# Altium PCB board_layout.pcbdoc (part 2 of 3)
Units mm, origin at the board's own origin, x right, y up, seen from the top; angles counter-clockwise.
Board outline 92.13 x 89.13 mm, 2 copper layers (Top Layer, Bottom Layer), stack 1.57 mm thick; 193 components, 117 nets, 632 pads, 279 vias.
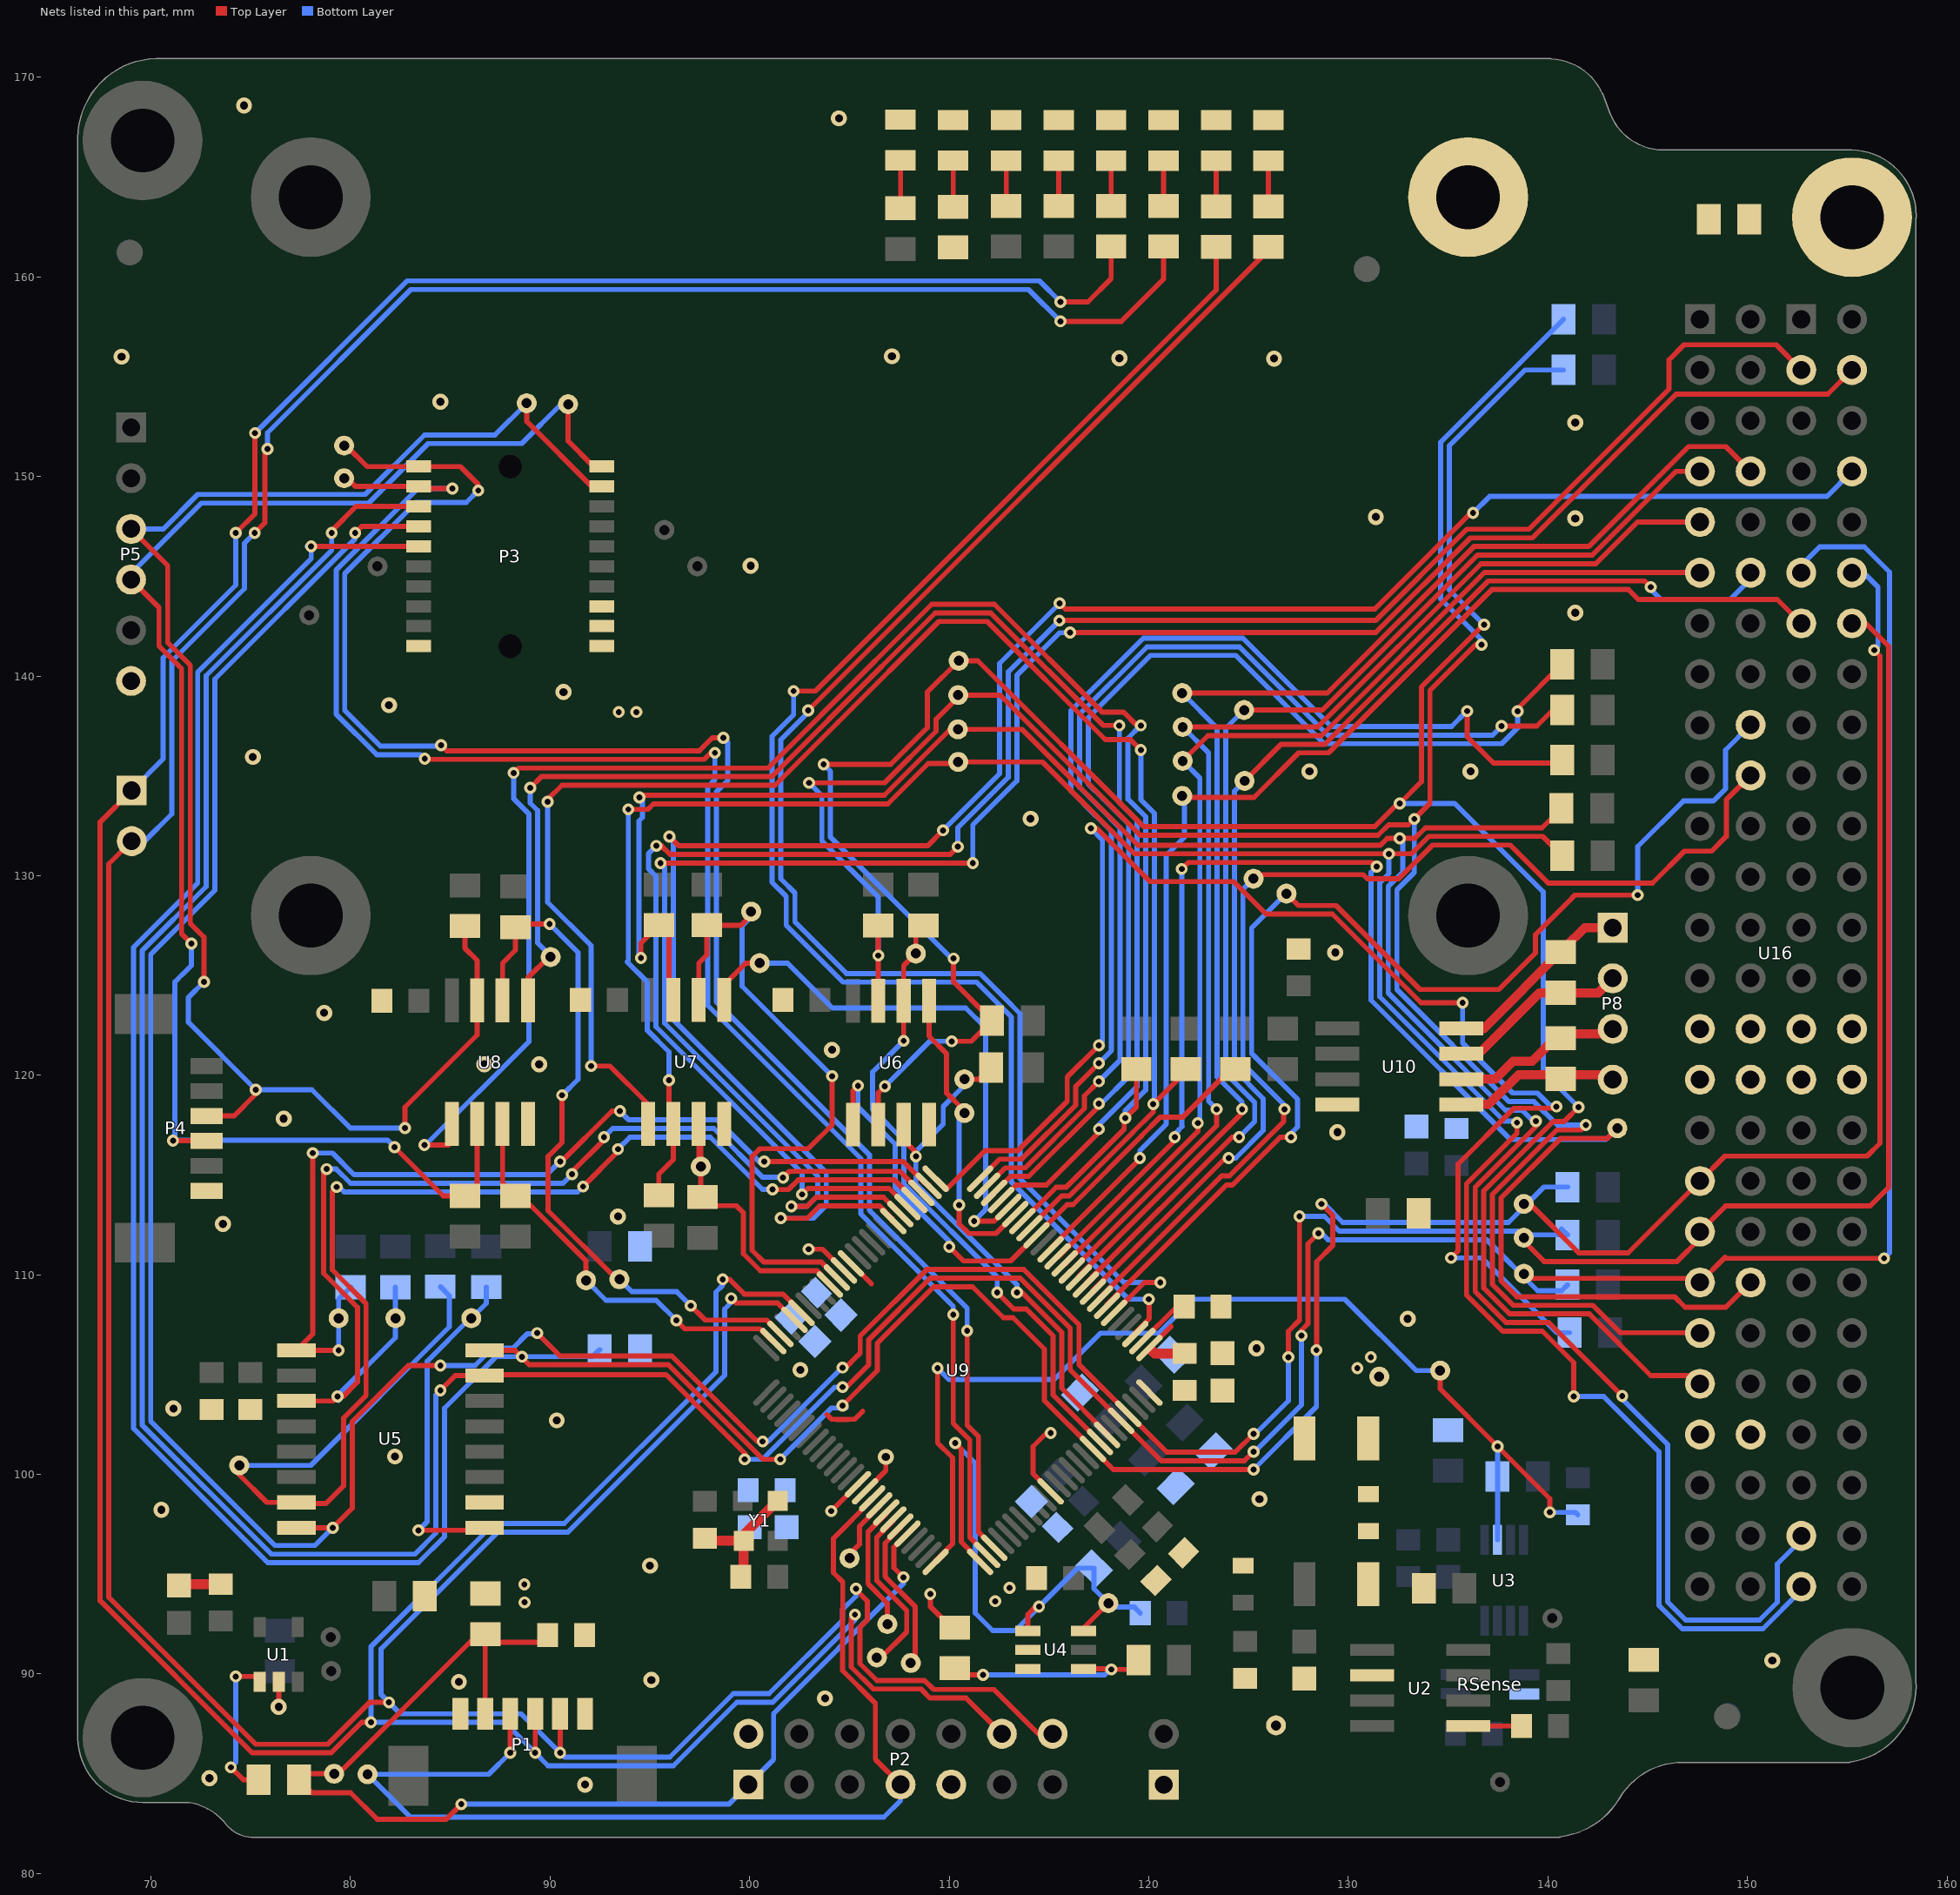
[diagram p2: the nets of this part, all layers, seen from the top]

## Via types
v1: diameter 0.6, hole 0.3, Top Layer to Bottom Layer, tented both sides, 235 vias
v2: diameter 0.8, hole 0.4, Top Layer to Bottom Layer, tented both sides, 25 vias
v3: diameter 0.8, hole 0.4, Top Layer to Bottom Layer, tented bottom, 9 vias
v4: diameter 0.8, hole 0.4, Top Layer to Bottom Layer, tented top, 8 vias
v5: diameter 0.8, hole 0.4, Top Layer to Bottom Layer, 2 vias

## Nets (pads, with @x,y where several pads share a name; then routed paths per layer and width w, separated by ;. In a path a pad name is that pad's centre, name@x,y a point inside that pad or via, vN(x,y) a via of type N, cw(c..) or ccw(c..) an arc to the next point about the centre after c; other vN are vias at no path point) (continued)
D_BOARD_SPI_CS0: P3.17 TP38.1 U9.2 | length 86.4
  Top Layer w0.254: TP38.1@79.75,149.7 80.05,149.7 80.25,149.5 P3.17@83.41,149.5 83.51,149.4 v1(85.1,149.4) ; v1(83.716,135.859) 83.75,135.825 97.72,135.825 98.052,136.157 v1(98.255,136.157) ; v1(110.2,108) 110.2,102.555 111.03,101.725 111.03,96.839 U9.2@111.899,95.97
  Bottom Layer w0.254: v1(83.716,135.859) 83.514,136.061 81.314,136.061 79.275,138.1 79.275,145.31 83.365,149.4 v1(85.1,149.4) ; v1(98.255,136.157) 98.255,134.8 97.895,134.44 97.895,123.504 105.566,115.832 105.566,113.054 110.2,108.421 v1(110.2,108)
D_BOARD_SPI_CS1: P3.19 TP39.1 U9.3 | length 89.8
  Top Layer w0.254: TP39.1@79.775,151.55 80.825,150.5 P3.19@83.41,150.5 85.5,150.5 86.4,149.6 v1(86.4,149.3) ; v1(84.533,136.54) 84.816,136.257 97.475,136.257 98.122,136.904 v1(98.682,136.904) ; v1(110.9,107.2) 110.9,102.466 111.462,101.903 111.462,97.114 U9.3@112.253,96.324
  Bottom Layer w0.254: v1(84.533,136.54) 84.533,136.493 81.493,136.493 79.707,138.279 79.707,145.131 83.276,148.7 85.8,148.7 v1(86.4,149.3) ; v1(98.682,136.904) 98.9,136.686 98.9,134.771 98.327,134.198 98.327,123.682 105.998,116.011 105.998,113.233 110.9,108.331 v1(110.9,107.2)
ESD: MEC4.0 R_ESD.2
GND: C1.2 C2.1 C3.2 C4.2 C5.1 C6.1 C7.2 C15.2 C16.2 C17.2 C18.2 C19.2 C20.2 C23.2 C24.2 C28.2 C29.2 C30.2 C31.2 C32.2 C34.2 C35.2 C36.2 D1.2 D2.2 D3.2 D4.2 D5.2 D6.2 D7.2 D8.2 FB2.1 MEC8.0 P1.6 P2.9 P3.2 P3.4 P3.6 P4.6 P5.6 R18.2 R_ESD.1 U1.2 U5.10 U6.4 U7.4 U8.4 U9.26 U9.63 U9.90 U10.4 U16.H1-29 U16.H1-30 U16.H1-31 U16.H1-32 U16.H2-29 U16.H2-30 U16.H2-31 U16.H2-32 V1.2 V3.2 Y1.2 Y1.4 | length 19.1
  Top Layer w0.254: C29.2@71.4,94.43 C29.2@71.47,94.5 ; v2(76.4,88.35) U1.2@76.4,89.6 ; 103.869,103 104.111,102.758 104.354,102.758 104.361,102.751 104.939,102.751 104.946,102.758 105.262,102.758 105.664,103.16 ; U9.63@105.076,110.572 106.099,109.548 ; U9.90@105.783,99.152 106.825,100.194 v2(106.825,100.875) ; 120.171,106.189 U9.26@120.031,106.329 121.117,107.415
  Top Layer w0.508: C29.2@71.47,94.5 C28.2@73.5,94.5 ; C3.2@97.75,96.8 97.875,96.675 Y1.2@99.7,96.675 ; C4.2@99.547,94.861 99.7,95.013 Y1.2@99.7,96.675 ; Y1.4@101.4,98.675 99.7,96.975 Y1.2@99.7,96.675 ; 120.171,106.189 120.304,106.056 C15.2@121.8,106.056
  other v2: 91.75,84.458 72.925,84.775 85.425,89.607 95.07,89.7 151.25,90.675 70.518,98.225 82.225,100.9 90.33,102.709 125.4,106.318 132.975,107.796 93.4,112.925 129.345,126.15 128.05,135.225 136.125,135.225 81.925,138.543 141.375,143.173 100.05,145.525 131.375,147.975 126.275,155.909 118.525,155.925 68.525,156 107.125,156.025 74.661,168.588
  other v3: 95.002,95.425 71.125,103.3 76.65,117.825 104.125,121.275 78.675,123.125 114.075,132.85 75.1,135.95 90.673,139.203 141.375,152.7
  other v4: 103.775,88.775 125.55,98.762 73.6,112.55 129.454,117.15 86.7,120.55 89.45,120.55 141.375,147.9 84.5,153.75
  other v5: 102.537,105.236 104.475,167.95
I2C0_EN: R33.1 U6.1 U9.42 | length 30.6
  Top Layer w0.254: U6.1@105.177,117.53 105.177,119.223 v1(105.429,119.475) ; v1(110,111.408) 110.713,110.695 113.083,110.695 U9.42@114.374,111.986 115.908,113.52 116.202,113.52 119.628,116.946 119.628,116.958 120.577,117.907 121.708,117.907 124.11,120.309 R33.1@124.328,120.309
  Bottom Layer w0.254: v1(105.429,119.475) 105.429,118.412 107.294,116.548 107.294,114.384 110,111.678 v1(110,111.408)
I2C0_READY: TP51.1 U6.5 U9.45 | length 15.4
  Top Layer w0.254: U6.5@108.987,123.735 108.987,121.958 109.87,121.075 109.87,119.105 110.687,118.287 TP51.1@110.5,118.1 ; v1(110.5,113.5) 110.5,112.563 110.992,112.071 112.338,112.071 U9.45@113.313,113.047
  Bottom Layer w0.254: v1(110.5,113.5) TP51.1@110.5,118.1
I2C0_SCL: R22.1 TP69.1 U6.3 U9.19 | length 26.1
  Top Layer w0.254: U6.3@107.717,117.53 107.717,116.754 108.33,116.14 v1(108.33,115.931) ; TP69.1@110.761,119.8 111.468,119.8 R22.1@111.868,120.2 ; v1(113.4,109.113) 113.644,109.113 115.636,107.121 115.636,104.317 117.91,102.044 U9.19@117.91,101.98
  Bottom Layer w0.254: TP69.1@110.761,119.8 110.761,119.493 109.701,118.432 109.701,117.551 108.33,116.181 v1(108.33,115.931) 108.33,114.569 113.4,109.499 v1(113.4,109.113)
I2C0_SCL_BUF: J_PC2.2 R28.1 TP59.1 U6.2 U16.H1-43 | length 133.8
  Top Layer w0.254: v1(103.704,135.575) 107.068,135.575 108.907,137.414 108.907,139.203 TP59.1@110.475,140.77 111.437,140.77 119.753,132.454 131.313,132.454 132.479,133.62 v1(132.575,133.62) 133.661,134.706 133.661,139.461 136.775,142.575 v1(136.8,142.575) ; U6.2@106.447,117.53 106.447,119.122 v1(106.775,119.45) ; v1(110.125,121.7) 111.105,121.7 R28.1@111.885,122.48 ; v1(110.219,125.85) 110.219,124.68 111.885,123.013 R28.1@111.885,122.48 ; R28.1@112.148,122.743 R28.1@111.885,122.48 ; v1(141.539,118.4) 140.827,117.689 140.269,117.689 136.789,114.209 136.789,109.34 138.088,108.04 142.076,108.04 145.159,104.957 147.203,104.957 U16.H1-43@147.62,104.54
  Bottom Layer w0.254: v1(103.704,135.575) 104.05,135.229 104.05,131.925 110.125,125.85 v1(110.219,125.85) ; v1(106.775,119.45) 109.025,121.7 v1(110.125,121.7) ; v1(132.575,133.62) 135.33,133.62 139.764,129.186 139.764,120.175 v1(141.539,118.4) ; v1(136.8,142.575) 135.057,144.318 135.057,151.542 138.855,155.34 J_PC2.2@140.784,155.34
I2C0_SDA: R21.1 TP68.1 U6.6 U9.18 | length 32.1
  Top Layer w0.254: v1(107.717,121.725) 107.717,123.669 107.75,123.702 U6.6@107.717,123.735 107.717,125.492 TP68.1@108.325,126.1 108.325,127.117 R21.1@108.717,127.509 ; v1@112.404,109.139 v1(112.404,109.113) 113.231,108.287 113.86,108.287 115.205,106.942 115.205,103.978 U9.18@117.556,101.627
  Bottom Layer w0.254: v1(107.717,121.725) 106.153,120.161 106.153,118.299 107.725,116.726 107.725,114.563 112.404,109.884 v1@112.404,109.139
I2C0_SDA_BUF: J_PC1.2 R27.1 TP58.1 U6.7 U16.H1-41 | length 123.5
  Top Layer w0.254: v1(102.978,134.65) 106.754,134.65 109.339,137.236 109.339,137.839 110.186,138.686 110.186,139 TP58.1@110.461,138.725 ; U6.7@106.447,123.735 v1(106.447,126) R27.1@106.447,127.509 R27.1@106.447,127.734 ; TP58.1@110.45,139.05 112.546,139.05 119.574,132.022 131.492,132.022 132.02,132.55 133.015,132.55 v1(133.307,132.843) 134.093,133.628 134.093,139.282 136.381,141.57 v1(136.67,141.57) ; v1(141.9,117.505) 141.652,117.257 140.448,117.257 137.22,114.03 137.22,109.519 138.267,108.472 142.254,108.472 143.627,107.1 147.24,107.1 147.44,106.9 U16.H1-41@147.62,107.08
  Bottom Layer w0.254: v1(102.978,134.65) 103.618,134.01 103.618,131.746 106.447,128.917 v1(106.447,126) ; v1(133.307,132.843) 133.307,130.157 132.434,129.284 132.434,124.298 138.053,118.679 139.301,118.679 140.475,117.505 v1(141.9,117.505) ; v1(136.67,141.57) 136.67,141.825 134.625,143.87 134.625,151.721 J_PC1.2@140.784,157.88
I2C1_EN: R34.1 U7.1 U9.43 | length 84.5
  Top Layer w0.254: v1(89.879,133.7) 89.879,133.818 90.591,134.53 101.279,134.53 104.416,137.666 104.416,137.672 109.48,142.736 111.901,142.736 117.815,136.822 119.078,136.822 v1(119.6,136.3) ; v1(92.05,120.46) 92.997,120.46 94.907,118.55 U7.1@94.907,117.56 ; U9.43@114.02,112.34 115.633,113.952 116.023,113.952 119.196,117.125 119.196,117.137 120.225,118.166 v1(120.225,118.55) 121.853,120.178 R34.1@121.853,120.309
  Bottom Layer w0.254: v1(89.879,133.7) 89.879,128.671 92.05,126.5 v1(92.05,120.46) ; v1(119.6,136.3) 119.6,133.808 120.281,133.127 120.281,118.606 v1(120.225,118.55)
I2C1_READY: TP54.1 U7.5 U9.46 | length 27.6
  Top Layer w0.254: U7.5@98.717,123.765 98.717,124.53 99.804,125.617 TP54.1@100.5,125.617 ; v1(111.25,112.693) 112.253,112.693 U9.46@112.96,113.4
  Bottom Layer w0.254: TP54.1@100.5,125.617 101.894,125.617 104.139,123.373 110.827,123.373 111.823,122.377 111.823,113.266 v1(111.25,112.693)
I2C1_SCL: R24.1 TP53.1 U7.3 U9.66 | length 15.8
  Top Layer w0.254: TP53.1@97.856,115.425 TP53.1@97.55,115.731 ; U9.66@104.015,109.511 103.586,109.94 103.586,109.995 103.379,110.202 103.227,110.202 100.536,110.203 99.68,111.059 99.68,113.111 99.326,113.465 98.052,113.465 98.012,113.425 97.55,113.425 TP53.1@97.55,115.425 TP53.1@97.55,115.731 ; TP53.1@97.55,115.731 97.447,115.835 U7.3@97.447,117.56 97.55,117.457 TP53.1@97.55,115.731
I2C1_SCL_BUF: J_PC4.2 R30.1 TP61.1 U7.2 U16.H2-51 | length 128.4
  Top Layer w0.254: v1(93.916,133.32) 94.901,133.32 95.176,133.596 106.921,133.596 108.95,135.625 110.45,135.625 TP61.1@110.525,135.7 ; R30.1@95.447,113.991 95.447,115.047 96.177,115.777 U7.2@96.177,117.56 95.953,117.784 v1(95.953,119.75) ; TP61.1@110.45,135.7 TP61.1@110.525,135.7 ; v1(138.45,117.625) 138.45,117.091 135.925,114.566 135.925,108.982 137.731,107.177 139.731,107.177 141.3,105.608 v1(141.3,103.9) ; J_PC4.2@140.677,130.968 140.409,130.7 140.409,131.3 139.741,131.968 134.04,131.968 133.167,131.095 v1(132.03,131.095) 119.28,131.095 114.675,135.7 TP61.1@110.525,135.7
  Bottom Layer w0.254: v1(93.916,133.32) 93.916,125.751 93.85,125.685 94.872,124.662 94.872,122.252 95.953,121.172 v1(95.953,119.75) ; v1(132.03,131.095) 132.03,130.102 131.57,129.642 131.57,123.94 137.811,117.7 138.375,117.7 v1(138.45,117.625) ; v1(141.3,103.9) 142.8,103.9 145.568,101.132 145.568,93.432 146.732,92.268 150.779,92.268 152.7,94.189 U16.H2-51@152.7,94.38
I2C1_SDA: R23.1 TP52.1 U7.6 U9.65 | length 33.2
  Top Layer w0.254: U7.6@97.447,123.765 97.447,125.617 97.856,126.027 R23.1@97.856,127.514 99.564,127.514 TP52.1@100,127.95 ; v1(104.13,119.956) 104.13,117.512 102.934,116.316 100.504,116.316 100.504,116.286 100.474,116.286 100.12,115.932 100.12,111.229 100.715,110.635 103.598,110.635 U9.65@104.368,109.865
  Bottom Layer w0.254: TP52.1@100.096,128.2 100.096,127.946 99.622,127.472 99.622,124.464 v1(104.13,119.956)
I2C1_SDA_BUF: J_PC3.2 R29.1 TP60.1 U7.7 U16.H2-49 | length 123.7
  Top Layer w0.254: v1(94.475,133.925) 94.578,134.028 106.742,134.028 TP60.1@109.989,137.275 ; v1(94.55,125.875) 94.55,126.617 R29.1@95.447,127.514 95.953,127.008 95.953,123.989 U7.7@96.177,123.765 ; TP60.1@110.435,137.335 113.651,137.335 119.459,131.526 131.607,131.526 131.952,131.871 v1(132.575,131.871) 133.333,131.871 133.861,132.4 139.704,132.4 J_PC3.2@140.684,133.38 ; v1(139.4,117.7) 139.4,117.431 136.357,114.387 136.357,109.161 137.909,107.609 140.041,107.609 v1(143.725,103.925)
  Bottom Layer w0.254: v1(94.475,133.925) 94.625,133.775 94.625,132.919 94.455,132.749 94.455,125.97 v1(94.55,125.875) ; v1(132.575,131.871) 132.725,131.721 132.725,130.186 132.002,129.463 132.002,124.119 137.874,118.247 138.708,118.247 139.255,117.7 v1(139.4,117.7) ; v1(143.725,103.925) 143.575,103.925 146,101.5 146,93.611 146.911,92.7 150.6,92.7 151.5,93.6 151.5,95.516 152.7,96.716 U16.H2-49@152.7,96.92
I2C2_EN: R35.1 U8.1 U9.44 | length 92
  Top Layer w0.254: v1(83.7,116.5) 84.903,116.5 85.076,116.674 U8.1@85.076,117.555 ; v1(88.168,135.15) 88.411,135.393 100.922,135.393 103.552,138.024 103.552,138.03 109.122,143.6 112.259,143.6 117.659,138.2 118.73,138.2 119.405,137.525 v1(119.6,137.525) ; U9.44@113.667,112.693 115.358,114.384 115.844,114.384 118.764,117.304 118.764,117.79 v1(118.828,117.854) 119.378,118.404 R35.1@119.378,120.309
  Bottom Layer w0.254: v1(83.7,116.5) 83.755,116.5 88.938,121.684 88.938,128.004 88.943,128.009 88.943,133.087 88.168,133.863 v1(88.168,135.15) ; v1(118.828,117.854) 118.828,118.237 119.85,119.258 119.85,132.948 118.957,133.841 118.957,136.882 v1(119.6,137.525)
I2C2_READY: TP57.1 U8.5 U9.47 | length 75.1
  Top Layer w0.254: U8.5@88.886,123.76 88.886,124.886 89.925,125.925 TP57.1@90.025,125.925 ; v1(89,134.4) 89.562,134.962 101.101,134.962 103.984,137.845 103.984,137.851 109.301,143.168 112.08,143.168 117.723,137.525 v1(118.525,137.525) ; U9.47@112.606,113.754 113.353,114.5 114.863,114.5 117.5,117.137 v1(117.5,117.3) ; v1@117.582,117.218 v1@117.663,117.3
  Bottom Layer w0.254: v1(89,134.4) 89,133.641 89.375,133.266 89.375,127.83 89.37,127.826 89.37,126.63 90.025,125.975 TP57.1@90.025,125.925 ; v1(117.5,117.3) 117.5,117.52 119.418,119.437 119.418,132.769 118.525,133.662 v1(118.525,137.525)
I2C2_SCL: R26.1 TP56.1 U8.3 U9.74 | length 20.4
  Top Layer w0.254: U8.3@87.616,117.555 87.616,114.604 R26.1@88.266,113.955 88.545,113.955 91.8,110.7 TP56.1@91.8,109.723 ; v1(96.325,107.716) 96.744,107.297 100.509,107.297 101.123,106.683 U9.74@101.186,106.683
  Bottom Layer w0.254: TP56.1@91.8,109.723 92.798,108.725 95.316,108.725 v1(96.325,107.716)
I2C2_SCL_BUF: P3.20 P4.4 P5.4 R32.1 TP63.1 U8.2 | length 80.7
  Top Layer w0.254: P5.4@69,144.835 70.4,143.435 70.4,141.506 71.535,140.37 71.535,127.09 v1(72.025,126.6) ; v1(71.1,116.725) 72.773,116.725 P4.4@72.788,116.71 ; v1(82.2,116.4) 84.645,113.955 R32.1@85.726,113.955 86.346,114.575 U8.2@86.346,117.555 ; TP63.1@90.9,153.625 90.9,151.78 92.18,150.5 P3.20@92.59,150.5
  Bottom Layer w0.254: P5.4@69,144.835 69,145.15 72.52,148.67 80.906,148.67 83.886,151.65 88.575,151.65 90.55,153.625 TP63.1@90.9,153.625 ; v1(72.025,126.6) 72.025,125.5 71.572,125.047 71.567,125.047 71.2,124.68 71.2,116.75 81.85,116.75 v1(82.2,116.4)
I2C2_SDA: R25.1 TP55.1 U8.6 U9.73 | length 35.7
  Top Layer w0.254: U8.6@87.616,123.76 87.616,125.617 88.266,126.266 R25.1@88.266,127.424 88.417,127.575 v1(89.975,127.575) ; v1(90.6,119) 90.6,116.637 89.895,115.932 89.895,113.215 93.336,109.775 TP55.1@93.475,109.775 ; v1(97.05,108.45) 97.772,107.728 100.848,107.728 U9.73@101.54,107.036
  Bottom Layer w0.254: v1(89.975,127.575) 91.4,126.15 91.4,119.8 v1(90.6,119) ; TP55.1@93.275,109.775 TP55.1@93.475,109.775 94.093,109.157 96.343,109.157 v1(97.05,108.45)
I2C2_SDA_BUF: P3.18 P4.3 P5.3 R31.1 TP62.1 U8.7 | length 83.1
  Top Layer w0.254: P5.3@69,147.375 70.832,145.543 70.832,141.685 71.967,140.549 71.967,127.6 72.65,126.917 v1(72.65,124.675) ; P4.3@72.788,117.96 74.16,117.96 75.25,119.05 v1(75.25,119.275) ; v1(82.725,117.35) 82.725,118.397 86.346,122.019 U8.7@86.346,123.76 86.346,125.754 85.726,126.374 R31.1@85.726,127.484 ; TP62.1@88.825,153.675 88.825,152.761 92.086,149.5 P3.18@92.59,149.5
  Bottom Layer w0.254: P5.3@69,147.375 70.614,147.375 72.342,149.102 80.727,149.102 83.707,152.082 87.232,152.082 TP62.1@88.825,153.675 ; v1(72.65,124.675) 71.875,123.9 71.875,122.65 v1(75.25,119.275) 78.061,119.275 79.986,117.35 v1(82.725,117.35)
JTAG_TCK: P1.3 P2.7 TP1.1 U9.91 | length 54.8
  Top Layer w0.254: v1(88,86.05) P1.3@88,88 ; U9.91@106.136,98.798 106.136,98.734 104.194,96.792 104.194,95.081 104.661,94.614 104.661,93.241 104.653,93.233 104.653,90.177 106.3,88.529 106.3,85.72 P2.7@107.56,84.46
  Bottom Layer w0.254: v1(88,86.05) 86.925,84.975 TP1.1@80.85,84.975 83,82.825 106.725,82.825 107.56,83.66 P2.7@107.56,84.46
JTAG_TDO_TDI: C1.1 P1.2 P2.1 R1.1 R8.2 TP2.1 U9.96 | length 59.3
  Top Layer w0.254: v1(85.55,83.475) 84.8,82.725 81.325,82.725 80,84.05 78.066,84.05 R8.2@77.416,84.7 77.716,85 TP2.1@79.175,85 79.39,85 86.019,91.629 R1.1@86.75,91.629 ; P1.2@86.75,88 R1.1@86.75,91.629 ; C1.1@89.875,91.584 86.795,91.584 R1.1@86.75,91.629 ; v1(107.7,94.845) 107.225,95.32 107.225,96.352 U9.96@107.904,97.031
  Bottom Layer w0.254: v1(85.55,83.475) 98.955,83.475 P2.1@99.94,84.46 101.2,85.72 101.2,88.02 107.7,94.52 v1(107.7,94.845)
JTAG_VCC: P1.1 P2.2 P6.1
MAIN_RADIO_ENABLE: TP32.1 U9.34 U16.H1-12 | length 61
  Top Layer w0.254: U9.34@117.202,109.158 117.202,109.221 123.831,115.85 v1(124.003,115.85) ; TP32.1@124.8,134.75 126.636,136.586 128.829,136.586 137.008,144.765 144.847,144.765 v1(145.15,144.463)
  Bottom Layer w0.254: v1(124.003,115.85) 124.355,115.85 125.737,117.232 125.737,118.824 124.29,120.271 124.29,134.24 TP32.1@124.8,134.75 ; v1(145.15,144.463) 145.15,144.35 145.675,143.825 149.125,143.825 150.16,144.86 U16.H1-12@150.16,145.18
MAIN_RADIO_GPIO0: TP28.1 U9.35 U16.H1-7 | length 61.3
  Top Layer w0.254: U9.35@116.849,109.511 116.849,109.575 117.463,110.189 123.746,116.472 124.174,116.9 v1(124.525,116.9) ; TP28.1@124.775,138.3 128.711,138.3 136.472,146.061 142.222,146.061 146.421,150.26 U16.H1-7@147.62,150.26
  Bottom Layer w0.254: v1(124.525,116.9) 125.305,117.68 125.305,118.645 123.858,120.092 123.858,137.383 TP28.1@124.775,138.3
MAIN_RADIO_GPIO1: TP29.1 U9.36 U16.H1-8 | length 68.2
  Top Layer w0.254: U9.36@116.495,109.865 116.495,109.929 124.675,118.108 v1(124.675,118.3) v1@124.675,118.375 ; TP29.1@121.675,139.15 128.95,139.15 136.293,146.493 142.043,146.493 147.05,151.5 148.92,151.5 U16.H1-8@150.16,150.26
  Bottom Layer w0.254: TP29.1@121.675,139.15 123.426,137.399 123.426,119.913 124.675,118.664 v1(124.675,118.3) v1@124.675,118.2
MAIN_RADIO_GPIO2: TP30.1 U9.37 U16.H1-9 | length 61.1
  Top Layer w0.254: U9.37@116.142,110.218 123.4,117.476 v1(123.4,118.3) ; TP30.1@121.7,137.45 128.471,137.45 136.65,145.629 142.4,145.629 144.491,147.72 U16.H1-9@147.62,147.72
  Bottom Layer w0.254: TP30.1@121.7,137.45 122.995,136.155 122.995,118.705 v1(123.4,118.3)
MAIN_RADIO_RESET: TP31.1 U9.38 U16.H1-11 | length 58.2
  Top Layer w0.254: U9.38@115.788,110.572 115.852,110.572 122.456,117.176 v1(122.456,117.606) ; TP31.1@121.7,135.75 122.968,137.018 128.65,137.018 136.829,145.197 147.603,145.197 U16.H1-11@147.62,145.18
  Bottom Layer w0.254: TP31.1@121.7,135.75 122.563,134.887 122.563,117.713 v1(122.456,117.606)
MAIN_RADIO_SPI_CS: TP33.1 U9.39 U16.H1-40 | length 79.3
  Top Layer w0.254: U9.39@115.435,110.925 115.499,110.925 116.113,111.539 116.119,111.539 121.3,116.72 v1(121.3,116.9) ; v1(121.65,130.333) 121.98,130.663 131.21,130.663 v1(131.423,130.45) ; TP33.1@143.481,117.347 142.959,116.825 140.626,116.825 137.652,113.851 137.652,109.698 138.446,108.904 146.346,108.904 146.875,108.375 148.915,108.375 U16.H1-40@150.16,109.62
  Bottom Layer w0.254: v1@121.3,116.978 121.3,117.04 121.516,117.256 121.5,117.272 121.675,117.447 121.65,117.472 v1(121.65,130.333) ; v1(131.423,130.45) 131.139,130.166 131.139,123.761 138.122,116.778 142.911,116.778 TP33.1@143.481,117.347
MEM_HOLD: R16.1 TP49.1 U5.1 U9.52 | length 49.8
  Top Layer w0.254: v1(78.1,116.1) 78.1,107.03 U5.1@77.288,106.218 v1(79.4,106.218) ; v1(90.5,115.682) 90.5,115.6 93.1,118.2 v1(93.5,118.2) ; v1(100.725,115.682) 107.68,115.682 U9.52@108.726,114.636 ; U9.52@108.965,114.493 U9.52@108.997,114.493
  Bottom Layer w0.254: v1(78.1,116.1) 79.09,116.1 80.174,115.016 89.834,115.016 v1(90.5,115.682) ; v1(79.4,106.218) TP49.1@79.4,107.825 79.4,108.776 R16.1@80,109.376 ; v1(93.5,118.2) 93.936,117.764 98.383,117.764 100.529,115.618 100.592,115.682 v1(100.725,115.682)
MEM_RESET: R17.1 TP50.1 U5.3 U9.53 | length 54.7
  Top Layer w0.254: U5.3@77.288,103.678 79.128,103.678 v1(79.35,103.9) 79.622,103.9 80.344,104.622 80.344,108.377 78.65,110.071 78.65,115.15 v1(78.8,115.3) ; v1(91.1,115.04) 91.1,115.159 92.7,116.759 v1(92.7,116.9) ; v1(101.675,114.875) 101.986,115.186 107.532,115.186 U9.53@108.611,114.107
  Bottom Layer w0.254: v1(78.8,115.3) 79.28,115.3 79.995,114.584 90.644,114.584 v1(91.1,115.04) ; v1@79.4,103.7 79.4,104 82.25,106.85 R17.1@82.25,109.376 ; v1(92.7,116.9) 93.132,117.332 98.204,117.332 100.651,114.885 101.665,114.885 v1(101.675,114.875)
MEM_SPI_CS: R14.1 TP47.1 U5.7 U9.54 | length 70.5
  Top Layer w0.254: TP47.1@74.423,100.45 74.423,99.977 75.802,98.598 U5.7@77.288,98.598 77.348,98.538 78.763,98.538 79.65,99.425 79.65,102.825 80.776,103.951 80.776,108.556 79.082,110.25 79.082,114.182 v1(79.3,114.4) ; v1(91.65,114.425) 93.4,116.175 v1(93.4,116.3) ; v1(101.144,114.28) 101.154,114.27 101.945,114.27 102.43,114.755 107.257,114.755 U9.54@108.258,113.754
  Bottom Layer w0.254: TP47.1@74.423,100.45 78.009,100.45 84.95,107.391 84.95,108.954 R14.1@84.5,109.404 ; v1(79.3,114.4) 79.3,114.532 79.679,114.152 91.377,114.152 v1@91.562,114.337 ; v1(93.4,116.3) 94,116.9 98.025,116.9 100.645,114.28 v1(101.144,114.28)
MEM_W: R15.1 TP48.1 U5.9 | length 17
  Top Layer w0.254: v1(83.4,97.2) 86.44,97.2 86.64,97.4 U5.9@86.712,97.328
  Bottom Layer w0.254: v1(83.4,97.2) 83.842,97.642 83.842,105.672 85.995,107.825 TP48.1@86.05,107.825 86.8,108.575 R15.1@86.8,109.384
NetC2_2: C2.2 U9.27 | length 2.8
  Top Layer w0.254: U9.27@119.677,106.683 121.395,108.4 C2.2@121.775,108.4
NetC11_1: C11.1 U2.5 | length 2.7
  Top Layer w0.254: U2.5@136,87.395 138.67,87.395 C11.1@138.675,87.4
NetD1_1: D1.1 R2.2 | length 2.3
  Top Layer w0.254: R2.2@126,163.542 D1.1@126,165.825
NetD2_1: D2.1 R3.2 | length 2.3
  Top Layer w0.254: R3.2@123.371,163.542 D2.1@123.371,165.825
NetD3_1: D3.1 R4.2 | length 2.3
  Top Layer w0.254: R4.2@118.114,163.564 D3.1@118.114,165.825
NetD4_1: D4.1 R5.2 | length 2.3
  Top Layer w0.254: R5.2@120.743,163.564 D4.1@120.743,165.825
NetD5_1: D5.1 R6.2 | length 2.3
  Top Layer w0.254: R6.2@112.857,163.564 D5.1@112.857,165.825
NetD6_1: D6.1 R7.2 | length 2.3
  Top Layer w0.254: R7.2@115.486,163.564 D6.1@115.486,165.825
NetD7_1: D7.1 R12.1 | length 2.4
  Top Layer w0.254: R12.1@107.56,163.439 D7.1@107.56,165.85
NetD8_1: D8.1 R13.1 | length 2.3
  Top Layer w0.254: R13.1@110.2,163.522 D8.1@110.2,165.831
NetR8_1: R8.1 U1.1 | length 7.6
  Top Layer w0.254: v1(74,85.325) 74.625,84.7 R8.1@75.384,84.7 ; v1(74.25,89.875) 75.175,89.875 U1.1@75.45,89.6
  Bottom Layer w0.254: v1(74,85.325) 74.25,85.575 v1(74.25,89.875)
NetR10_1: R10.1 R11.2 U4.1 | length 11.2
  Top Layer w0.254: R10.1@110.125,90.284 110.459,89.95 v1(111.7,89.95) ; U4.1@116.735,90.255 118.095,90.255 v1(118.125,90.225) 119.004,90.225 R11.2@119.484,90.705
  Bottom Layer w0.254: v1(111.7,89.95) 117.8,89.95 v1@118.075,90.225
NetTP21_1: TP21.1 U9.92 | length 3.3
  Top Layer w0.254: TP21.1@105.007,95.8 105.007,96.007 105.498,96.498 105.498,97.389 106.49,98.381 U9.92@106.49,98.445
NetTP22_1: TP22.1 U9.93 | length 6.4
  Top Layer w0.254: U9.93@106.843,98.091 106.843,98.027 105.93,97.114 105.93,94.55 105.947,94.533 105.947,94.496 106.9,93.543 TP22.1@106.9,92.5
NetTP23_1: TP23.1 U9.94 | length 8.6
  Top Layer w0.254: TP23.1@106.375,90.825 106.586,90.825 107.868,92.107 107.868,93.186 106.379,94.675 106.379,94.712 106.361,94.729 106.361,96.838 107.197,97.674 U9.94@107.197,97.738
NetTP24_1: TP24.1 U9.95 | length 7.9
  Top Layer w0.254: U9.95@107.55,97.384 107.55,97.32 106.793,96.563 106.793,94.908 106.811,94.89 106.811,94.854 108.3,93.364 108.3,90.775 TP24.1@108.075,90.55
OBDH_AVCC: C8.1 C9.1 C10.1 C21.1 C22.1 C27.1 FB1.2 J_V3.2 TP43.1 U2.2 U4.5 U4.6 U9.11 | length 3.8
  Top Layer w0.254: U9.11@115.081,99.152 114.2,100.033 114.2,101.399 114.876,102.075 v1(115.084,102.075)
  other v1: 112.299,93.646 113.025,94.319
OBDH_CURRENT_ADC: C14.1 R9.2 TP6.1 U3.2 U9.100 | length 54.6
  Top Layer w0.254: U9.100@109.318,95.616 109.318,95.68 110.167,96.529 110.167,100.828 109.417,101.578 v1(109.417,105.325) ; TP6.1@134.6,105.2 134.6,104.284 v1(137.484,101.4) 140.1,98.784 v1(140.1,98.1)
  Bottom Layer w0.254: v1(109.417,105.325) 109.992,104.75 115.25,104.75 117.575,107.075 120.503,107.075 122.203,108.775 129.825,108.775 133.4,105.2 TP6.1@134.6,105.2 ; U3.2@137.475,96.725 137.475,100.091 137.484,100.1 v1(137.484,101.4) v1@137.484,101.591 ; v1(140.1,98.1) 141.375,98.1 C14.1@141.5,97.975
OBDH_DVCC: C7.1 C15.1 C16.1 C17.1 C18.1 C19.1 C20.1 FB1.1 J_V1.2 J_V2.2 J_V4.2 J_V5.2 P3.1 R1.2 R10.2 R13.2 RSense.2 TP42.1 U9.25 U9.64 U9.89 V2.1 V4.1 | length 6.3
  Top Layer w0.254: v1(102.95,111.286) 103.654,111.286 U9.64@104.722,110.218 ; v1(104.084,98.16) U9.89@105.429,99.506 U9.89@105.456,99.506 ; v1(109.05,94.007) 109.05,93.391 R10.2@110.125,92.316
  other v1: 88.724,93.588 88.709,94.493 130.45,105.325 131.125,105.875 93.441,138.2 94.316,138.2
OBDH_VCC: J_V0.1 U16.H1-45 U16.H1-46
OBDH_VOLTAGE_ADC: C37.1 R37.2 TP7.1 U4.3 U4.4 U9.1 | length 30.4
  Top Layer w0.254: v1(110.3,101.575) 110.599,101.276 110.599,96.627 111.546,95.68 U9.1@111.546,95.616 ; U4.4@113.935,92.155 113.935,92.99 114.317,93.372 v1(114.5,93.372) ; U4.3@116.735,92.155 116.735,92.31 TP7.1@117.975,93.55
  Bottom Layer w0.254: v1(110.3,101.575) 111.3,100.575 111.3,93.05 112.175,92.175 113.303,92.175 v1(114.5,93.372) 116.435,95.307 R37.2@117.257,95.307 117.257,94.268 TP7.1@117.975,93.55 118.175,93.35 119.275,93.35 C37.1@119.575,93.05
PAYLOAD_0_ENABLE: TP41.1 U9.32 U16.H1-18 | length 59.9
  Top Layer w0.254: U9.32@117.91,108.45 117.91,108.514 123.895,114.5 124.191,114.5 126.591,116.9 v1(127.125,116.9) ; TP41.1@126.9,129.1 127.493,128.507 129.379,128.507 133.586,124.3 137.55,124.3 139.381,126.131 139.381,127.045 141.2,128.864 141.2,128.875 141.35,129.025 v1(144.5,129.025)
  Bottom Layer w0.254: TP41.1@126.55,128.775 125.154,127.379 125.154,121.096 127.45,118.8 127.45,117.411 v1@127.189,117.15 ; v1(144.5,129.025) 144.5,131.455 146.795,133.75 148.3,133.75 148.9,134.35 148.9,136.3 U16.H1-18@150.16,137.56
PAYLOAD_1_ENABLE: TP40.1 U9.33 U16.H1-20 | length 56
  Top Layer w0.254: U9.33@117.556,108.804 117.556,108.868 123.65,114.962 124.042,114.962 126.753,117.673 126.753,118.403 v1@126.771,118.421 ; TP40.1@125.225,130.05 130.75,130.05 130.955,129.845 132.528,129.845 134.219,131.536 138.114,131.536 140.02,129.63 145.24,129.63 146.84,131.23 148.205,131.23 148.94,131.965 148.94,133.8 U16.H1-20@150.16,135.02
  Bottom Layer w0.254: TP40.1@125.2,129.9 TP40.1@125.25,129.95 ; TP40.1@125.25,129.85 124.722,129.322 124.722,120.578 v1@126.8,118.5
  other v1: 126.8,118.3
PC104_GPIO0: J_PC8.2 U9.48 | length 57.2
  Top Layer w0.254: U9.48@112.253,114.107 113.077,114.932 113.985,114.932 117.5,118.447 v1(117.5,118.575) ; v1@117.564,118.511 v1@117.628,118.575 ; v1(138.482,138.232) 138.482,138.373 J_PC8.2@140.709,140.6
  Bottom Layer w0.254: v1(117.5,118.575) 117.628,118.575 118.986,119.933 118.986,132.59 117.715,133.861 117.71,133.861 116.964,134.608 116.964,137.914 120.086,141.036 124.364,141.036 128.789,136.611 137.689,136.611 138.5,137.422 138.482,137.44 v1(138.482,138.232)
PC104_GPIO1: J_PC9.2 U9.49 | length 55.7
  Top Layer w0.254: U9.49@111.899,114.461 112.802,115.364 113.806,115.364 116.775,118.332 116.775,118.968 v1(117.5,119.693) ; v1(137.675,137.492) 139.442,137.492 140.25,138.3 J_PC9.2@140.709,138.3
  Bottom Layer w0.254: v1(117.5,119.693) 118.554,120.747 118.554,132.412 117.537,133.429 117.532,133.429 116.532,134.429 116.532,138.092 119.908,141.468 124.542,141.468 128.967,137.043 137.226,137.043 v1(137.675,137.492)
PC104_GPIO2: J_PC10.2 U9.50 | length 57.9
  Top Layer w0.254: U9.50@111.546,114.814 112.527,115.795 113.627,115.795 116.343,118.511 116.343,119.449 v1(117.5,120.606) ; v1@117.553,120.553 117.581,120.581 v1@117.581,120.606 ; v1(135.95,138.25) 135.95,136.971 137.275,135.646 140.555,135.646 J_PC10.2@140.709,135.8
  Bottom Layer w0.254: v1(117.5,120.606) 118.122,121.228 118.122,132.233 117.358,132.997 117.353,132.997 116.1,134.25 116.1,138.271 119.729,141.9 124.721,141.9 129.146,137.475 135.175,137.475 v1(135.95,138.25)
PC104_GPIO3: J_PC11.2 U9.51 | length 72
  Top Layer w0.254: U9.51@109.318,114.814 109.833,114.3 109.875,114.3 111.802,116.227 113.448,116.227 115.911,118.69 115.911,119.911 v1(117.5,121.5) ; v1(117.1,132.375) 117.389,132.375 120.064,129.7 124.25,129.7 125.875,128.075 129.2,128.075 133.64,123.635 v1(135.725,123.635) ; v1(135.15,110.85) 135.493,111.193 135.493,115.548 138.295,118.35 140.25,118.35 v1@140.4,118.5
  Bottom Layer w0.254: v1(117.1,132.375) 117.677,131.798 117.677,121.677 v1(117.5,121.5) ; v1(135.15,110.85) 136.7,110.85 140.45,107.1 J_PC11.2@141.084,107.1 ; v1(135.725,123.635) 135.725,121.618 138.232,119.111 139.48,119.111 140.135,118.456 v1@140.144,118.456 ; v1@140.15,118.45 v1@140.144,118.456 ; v1@140.4,118.5 140.188,118.5 v1@140.144,118.456
  other v1: 140.432,118.431
PC104_GPIO4: U9.55 U16.H2-3 | length 99.8
  Top Layer w0.254: v1(95.325,131.495) 95.58,131.495 96.012,131.063 110.047,131.063 v1(110.435,131.452) ; v1(102.62,114.029) 102.914,114.323 106.981,114.323 U9.55@107.904,113.4 ; v1(115.521,142.78) 115.528,142.787 131.365,142.787 135.935,147.356 139.046,147.356 146.075,154.385 146.075,155.85 146.825,156.6 151.44,156.6 U16.H2-3@152.7,155.34
  Bottom Layer w0.254: v1(95.325,131.495) 94.925,131.095 94.925,130.355 95.304,129.976 95.304,122.43 102.62,115.115 v1(102.62,114.029) ; v1(110.435,131.452) 110.435,132.407 112.957,134.929 112.957,140.215 v1(115.521,142.78)
PC104_GPIO5: U9.56 U16.H2-4 | length 101.6
  Top Layer w0.254: v1(95.53,130.631) v1(111.181,130.631) ; v1(102.089,113.434) 102.099,113.424 102.871,113.424 103.337,113.891 106.706,113.891 U9.56@107.55,113.047 ; v1(116.056,142.182) 131.371,142.182 136.114,146.924 139.225,146.924 146.426,154.125 154.025,154.125 U16.H2-4@155.24,155.34
  Bottom Layer w0.254: v1(95.53,130.631) 95.736,130.425 95.736,122.609 103.407,114.938 103.407,113.961 102.871,113.424 102.099,113.424 v1(102.089,113.434) ; v1(111.181,130.631) 111.181,132.543 113.389,134.75 113.389,140.036 115.527,142.175 116.049,142.175 v1(116.056,142.182)
PC104_GPIO6: U9.57 U16.H2-8 | length 101.1
  Top Layer w0.254: v1(95.98,131.956) 96.441,131.495 108.912,131.495 v1(109.689,132.272) ; v1(101.559,112.839) 101.569,112.829 102.886,112.829 103.516,113.459 106.495,113.459 107.133,112.821 107.133,112.693 U9.57@107.197,112.693 ; v1(115.534,143.65) 115.827,143.357 131.325,143.357 v1@136.197,148.228
  Bottom Layer w0.254: v1@96.168,131.832 96.168,122.788 103.839,115.117 103.839,113.476 103.192,112.829 101.569,112.829 v1(101.559,112.839) ; v1(109.689,132.272) 112.525,135.108 112.525,140.639 115.534,143.648 v1(115.534,143.65) ; v1(136.25,148.175) 137.075,149 153.98,149 U16.H2-8@155.24,150.26
RS485_RX_N: P8.2 R20.2 U10.7 | length 9.2
  Top Layer w0.457: U10.7@135.659,121.075 136.525,121.075 139.584,124.134 R20.2@140.65,124.134 142.524,124.134 P8.2@143.25,124.86
RS485_RX_P: P8.1 R20.1 U10.8 | length 9.7
  Top Layer w0.457: U10.8@135.659,122.345 136.788,122.345 140.825,126.382 141.843,127.4 P8.1@143.25,127.4
RS485_TX_N: P8.3 R19.2 U10.6 | length 8.6
  Top Layer w0.457: U10.6@135.659,119.805 137.361,119.805 138.256,120.7 139.211,120.7 140.577,122.066 142.996,122.066 P8.3@143.25,122.32
RS485_TX_P: P8.4 R19.1 U10.5 | length 8.3
  Top Layer w0.457: U10.5@135.659,118.535 137.035,118.535 138.534,120.034 142.996,120.034 P8.4@143.25,119.78
SPI_CLK: J_PC7.2 P3.11 R18.1 TP5.1 U5.16 U9.17 U16.H1-35 U16.H2-12 | length 217.8
  Top Layer w0.254: v1(78.025,146.5) P3.11@83.41,146.5 ; U5.16@86.712,106.218 88.231,106.218 88.949,105.5 95.92,105.5 100.665,100.755 v1(101.53,100.755) ; v1(104.65,103.45) 106.399,105.199 106.399,106.574 109.225,109.4 111.173,109.4 112.718,107.855 113.201,107.855 114.773,106.284 114.773,103.703 U9.17@117.202,101.273 118.229,100.247 v1@125.201,100.247 ; v1(128.4,106.225) 128.414,106.239 128.414,110.664 129.225,111.475 129.225,112.975 v1(128.65,113.55) ; TP5.1@138.792,113.55 139.1,113.55 141.55,111.1 144.02,111.1 U16.H1-35@147.62,114.7 148.87,115.95 156,115.95 156.645,116.595 156.645,141.005 v1(156.35,141.3)
  Bottom Layer w0.254: v1@77.825,146.5 v1(78.025,146.5) 78.025,145.892 72.336,140.203 72.336,129.628 69.12,126.412 69.12,102.305 75.849,95.576 83.403,95.576 84.706,96.878 84.706,103.312 87.291,105.897 v1(88.59,105.897) 92.131,105.897 R18.1@92.484,106.25 ; v1(101.53,100.755) 104.1,103.325 v1@104.825,103.325 ; v1(125.25,100.247) 125.251,100.247 128.4,103.396 v1(128.4,106.225) ; v1(128.65,113.55) 128.792,113.55 129.719,112.623 138.023,112.623 139.8,114.4 J_PC7.2@140.984,114.4 ; U16.H2-12@155.24,145.18 155.82,145.18 156.54,144.46 156.54,141.49 v1(156.35,141.3)
SPI_MISO: J_PC6.2 P3.13 TP4.1 U5.8 U9.22 U16.H1-37 U16.H2-14 | length 206.5
  Top Layer w0.254: U5.8@77.288,97.328 v1(79.103,97.328) 80.082,98.307 80.082,102.646 82.886,105.45 v1(84.5,105.45) v1@84.55,105.45 ; v1@80.229,147.182 v1(80.229,147.171) 80.558,147.5 P3.13@83.41,147.5 ; v1(89.35,107.081) 90.499,105.932 96.099,105.932 100.381,101.65 v1(100.65,101.65) ; v1@104.9,105.442 105.278,105.819 105.536,106.077 105.536,106.932 108.867,110.264 113.741,110.264 116.5,107.504 116.5,105.511 U9.22@118.97,103.041 120.9,101.111 124.327,101.111 v1(125.25,102.034) ; v1(127,105.875) 127,107.18 127.55,107.73 v1(127.55,112.925) ; TP4.1@138.792,111.859 138.792,111.694 139.818,110.668 146.468,110.668 147.62,111.82 U16.H1-37@147.62,112.16 148.91,113.45 156.15,113.45 157.077,114.377 157.077,141.498 155.935,142.64 U16.H2-14@155.24,142.64
  Bottom Layer w0.254: v1(79.103,97.328) 78.214,96.439 76.207,96.439 69.984,102.662 69.984,126.055 73.2,129.271 73.2,139.846 80.229,146.875 v1(80.229,147.171) ; v1(84.5,105.45) 86.233,105.45 87.112,106.329 88.142,106.329 88.863,107.05 v1@89.35,107.05 ; v1(100.65,101.65) 100.929,101.65 104.629,105.35 v1(104.65,105.35) v1@104.75,105.35 ; v1@125.3,101.984 127,103.684 v1(127,105.875) ; v1@127.553,112.928 v1(127.55,112.925) 128.806,112.925 129.54,112.191 138.46,112.191 TP4.1@138.792,111.859 138.933,112 J_PC6.2@140.984,112 J_PC6.2@140.684,112.3
SPI_MOSI: J_PC5.2 P3.15 TP3.1 U5.15 U9.21 U16.H1-39 U16.H2-11 | length 216.6
  Top Layer w0.254: v1@79.05,147.325 79.05,147.276 80.274,148.5 P3.15@83.41,148.5 ; v1(84.5,104.206) 85.242,104.948 U5.15@86.712,104.948 86.764,105 95.809,105 99.807,101.002 v1@99.56,100.755 ; v1@104.9,104.425 105.968,105.493 105.968,106.753 109.046,109.832 113.562,109.832 116.068,107.325 116.068,105.236 U9.21@118.617,102.687 120.625,100.679 124.788,100.679 v1(125.25,101.141) ; v1(127.65,106.95) 127.65,107.219 127.982,107.551 127.982,111.557 v1(128.5,112.075) ; TP3.1@138.8,110.05 139.025,109.825 147.304,109.825 147.509,109.62 U16.H1-39@147.62,109.62 148.875,110.875 148.925,110.825 v1(156.85,110.825)
  Bottom Layer w0.254: v1@79.05,147.325 v1(79.05,147.171) 79.05,146.306 72.768,140.025 72.768,129.449 69.552,126.233 69.552,102.483 76.028,96.008 83.224,96.008 84.274,97.057 84.274,103.98 v1(84.5,104.206) ; v1(99.755,100.755) 100.644,100.755 104.264,104.375 v1(104.65,104.375) ; v1@125.175,101.025 125.27,101.12 125.29,101.12 127.65,103.48 v1(127.65,106.95) ; v1(128.5,112.075) 128.666,112.075 128.981,111.76 136.93,111.76 139.489,109.2 140.684,109.2 J_PC5.2@140.984,109.5 ; U16.H2-11@152.695,145.18 152.695,145.545 153.625,146.475 155.862,146.475 157.125,145.212 157.125,140.6 157.125,111.1 v1(156.85,110.825)
SYSTEM_FAULT_LED: R3.1 U9.28 | length 77
  Top Layer w0.254: v1(102.2,139.25) 103.288,139.25 123.371,159.334 R3.1@123.371,161.51 ; U9.28@119.324,107.036 119.324,107.1 120.028,107.805 120.028,108.775 v1(120,108.775)
  Bottom Layer w0.254: v1(102.2,139.25) 102.2,138.061 101.125,136.985 101.125,129.665 101.832,128.958 101.832,127.512 104.675,124.668 111.364,124.668 113.118,122.914 113.118,114.638 118.981,108.775 v1(120,108.775)
SYSTEM_LED: R2.1 U9.31 | length 77.8
  Top Layer w0.254: v1(102.93,138.282) 126,161.352 R2.1@126,161.51 ; U9.31@118.263,108.097 119.786,109.62 v1(120.577,109.62)
  Bottom Layer w0.254: v1(102.93,138.282) 102.93,138.18 101.557,136.807 101.557,129.844 102.264,129.137 102.264,127.691 104.854,125.1 111.543,125.1 112.783,123.86 113.55,123.093 113.55,114.817 118.747,109.62 v1(120.577,109.62)
TTC_MCU_SPI_CS: TP34.1 U9.40 U16.H2-13 | length 61.5
  Top Layer w0.254: U9.40@115.081,111.279 115.081,111.343 v1@119.569,115.831 ; TP34.1@121.7,133.75 121.875,133.925 125.275,133.925 127.505,136.155 129.008,136.155 137.187,144.334 144.041,144.334 144.535,143.84 151.5,143.84 U16.H2-13@152.7,142.64
  Bottom Layer w0.254: v1(119.55,115.85) 119.55,116.225 120.878,117.553 120.878,128.492 ; 120.878,128.492 120.878,131.027 121.782,131.931 TP34.1@121.782,133.922
UART0_RX: P1.5 P2.14 P7.2 R5.1 U9.71 | length 210.2
  Top Layer w0.254: P7.2@69.032,131.73 67.883,130.582 67.883,95.1 67.883,93.845 75.246,86.482 78.853,86.482 80.946,88.575 v1(81.925,88.575) ; v1(75.192,147.171) 75.702,147.681 75.702,151.247 v1(75.832,151.377) ; v1(90.5,86.05) P1.5@90.5,88 ; v1(99.075,108.825) 99.308,108.592 101.399,108.592 U9.71@102.247,107.743 ; v1(105.325,94.275) 105.325,94.225 105.897,93.653 105.897,92.717 105.525,92.345 105.525,90.526 106.376,89.675 108.765,89.675 109.215,89.225 112.237,89.225 114.462,87 P2.14@115.18,87 ; v1@115.525,157.775 v1(115.575,157.775) 118.625,157.775 120.743,159.893 R5.1@120.743,161.532
  Bottom Layer w0.254: P7.2@69.032,131.73 69.68,131.73 71.041,133.091 71.041,140.74 74.682,144.381 74.682,146.661 v1(75.192,147.171) ; v1@75.833,151.378 75.833,152.19 83.015,159.372 113.978,159.372 v1(115.575,157.775) ; v1(99.075,108.825) 99.075,108.625 98.741,108.291 98.741,104.96 90.887,97.105 87.375,97.105 81.532,91.262 81.532,88.968 v1(81.925,88.575) 82.493,88.007 88.543,88.007 v1(90.5,86.05) 90.718,85.832 95.999,85.832 99.183,89.016 100.975,89.016 104.653,92.694 104.653,93.233 105.325,93.905 v1(105.325,94.275)
UART0_TX: P1.4 P2.12 P7.1 R4.1 U9.70 | length 206.3
  Top Layer w0.254: P7.1@69.032,134.27 67.451,132.69 67.451,93.666 75.068,86.05 79.032,86.05 80.557,87.575 v1(81.018,87.575) ; v1(74.25,147.171) 75.211,148.132 75.211,151.119 ; 75.21,151.12 v1@75.21,152.178 ; P1.4@89,88.25 P1.4@89.25,88 v1(89.25,86.05) ; v1(98.65,109.775) 98.983,109.775 99.734,109.024 101.674,109.024 U9.70@102.601,108.097 ; v1(105.275,92.975) 105.093,92.793 105.093,90.347 106.197,89.243 108.586,89.243 109.036,88.793 110.847,88.793 P2.12@112.64,87 ; v1(115.575,158.75) 116.945,158.75 118.114,159.919 R4.1@118.114,161.532
  Bottom Layer w0.254: P7.1@69.032,134.27 70.609,135.848 70.609,140.919 74.25,144.56 v1(74.25,147.171) ; v1(75.211,152.179) 82.836,159.804 114.521,159.804 v1(115.575,158.75) ; v1(98.65,109.775) 98.65,109.48 98.31,109.139 98.31,105.138 90.708,97.536 87.196,97.536 81.018,91.359 v1(81.018,87.575) 87.725,87.575 v1(89.25,86.05) 89.9,85.4 96.178,85.4 99.362,88.584 101.153,88.584 105.275,92.706 v1(105.275,92.975)